# Altium PCB dvrk-s-pwm.PcbDoc (part 1 of 5) (continued)
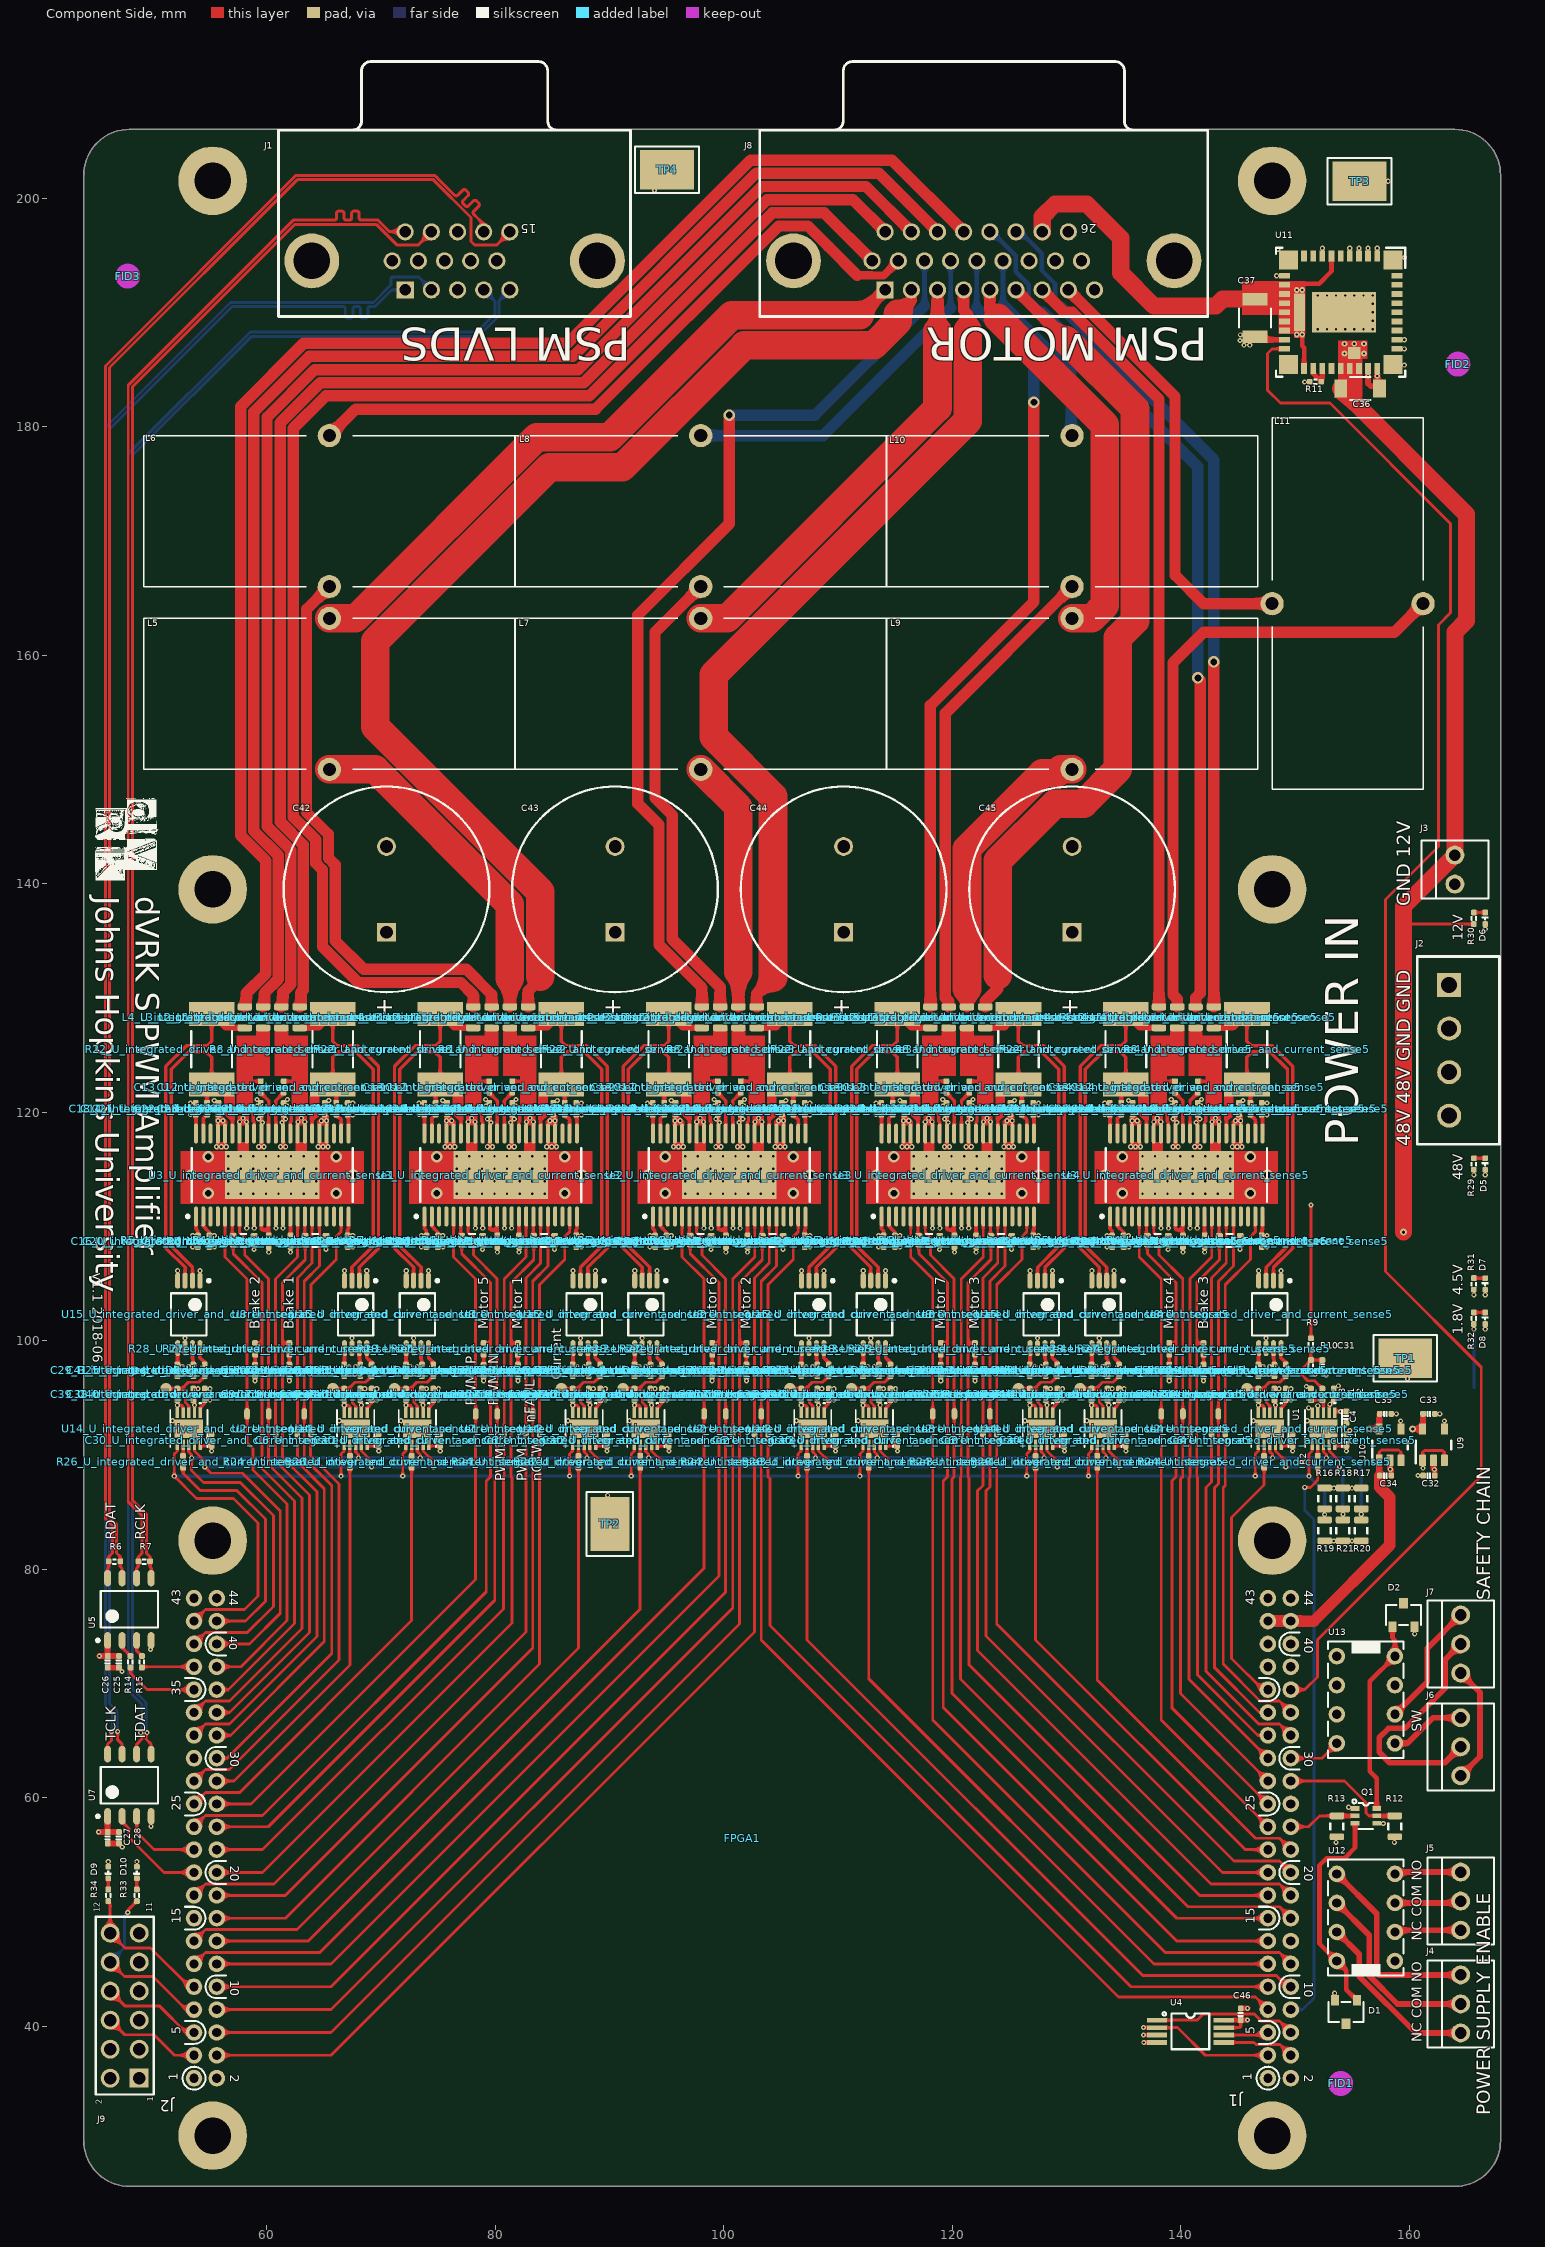
[diagram p0: Component Side view]
## Classes and differential pairs
polygon class nothermalrelief: GND_BOTTOM_HEAT
channel class integrated_driver_and_current_sense: U_integrated_driver_and_current_sense1 U_integrated_driver_and_current_sense2 U_integrated_driver_and_current_sense3 U_integrated_driver_and_current_sense4 U_integrated_driver_and_current_sense5
net class 100ohm: RCLK_N RCLK_P RDAT_N RDAT_P TCLK_N TCLK_P TDAT_N TDAT_P
component class U_relay: D1 D2 J4 J5 J6 J7 Q1 R12 R13 U12 U13
component class U_power_supply: C31 C32 C33 C34 C35 C36 C37 C42 C43 C44 C45 D5 D6 D7 D8 J2 J3 R9 R10 R11 R29 R30 R31 R32 TP1 TP2 TP3 TP4 U9 U10 U11
component class U_mv_adc: C1 C1_U_mv_adc C2 C2_U_mv_adc C3 C3_U_mv_adc C4 C4_U_mv_adc R1 R1_U_mv_adc R2 U1
component class U_lvds_transceiver: C25 C26 C27 C28 J1 R6 R7 R14 R15 U5 U7
component class U_integrated_driver_and_current_sense5: C5_U_integrated_driver_and_current_sense5 C6_U_integrated_driver_and_current_sense5 C7_U_integrated_driver_and_current_sense5 C8_U_integrated_driver_and_current_sense5 C9_U_integrated_driver_and_current_sense5 C10_U_integrated_driver_and_current_sense5 C11_U_integrated_driver_and_current_sense5 C12_U_integrated_driver_and_current_sense5 C13_U_integrated_driver_and_current_sense5 C14_U_integrated_driver_and_current_sense5 C15_U_integrated_driver_and_current_sense5 C16_U_integrated_driver_and_current_sense5 C17_U_integrated_driver_and_current_sense5 C18_U_integrated_driver_and_current_sense5 C19_U_integrated_driver_and_current_sense5 C20_U_integrated_driver_and_current_sense5 C21_U_integrated_driver_and_current_sense5 C22_U_integrated_driver_and_current_sense5 C23_U_integrated_driver_and_current_sense5 C24_U_integrated_driver_and_current_sense5 C29_U_integrated_driver_and_current_sense5 C30_U_integrated_driver_and_current_sense5 C38_U_integrated_driver_and_current_sense5 C39_U_integrated_driver_and_current_sense5 C40_U_integrated_driver_and_current_sense5 C41_U_integrated_driver_and_current_sense5 D3_U_integrated_driver_and_current_sense5 D4_U_integrated_driver_and_current_sense5 L1_U_integrated_driver_and_current_sense5 L2_U_integrated_driver_and_current_sense5 L3_U_integrated_driver_and_current_sense5 L4_U_integrated_driver_and_current_sense5 R3_U_integrated_driver_and_current_sense5 R4_U_integrated_driver_and_current_sense5 R5_U_integrated_driver_and_current_sense5 R8_U_integrated_driver_and_current_sense5 R22_U_integrated_driver_and_current_sense5 R23_U_integrated_driver_and_current_sense5 R24_U_integrated_driver_and_current_sense5 R25_U_integrated_driver_and_current_sense5 R26_U_integrated_driver_and_current_sense5 R27_U_integrated_driver_and_current_sense5 R28_U_integrated_driver_and_current_sense5 U2_U_integrated_driver_and_current_sense5 U3_U_integrated_driver_and_current_sense5 U8_U_integrated_driver_and_current_sense5 U14_U_integrated_driver_and_current_sense5 U15_U_integrated_driver_and_current_sense5
component class U_integrated_driver_and_current_sense4: C5_U_integrated_driver_and_current_sense4 C6_U_integrated_driver_and_current_sense4 C7_U_integrated_driver_and_current_sense4 C8_U_integrated_driver_and_current_sense4 C9_U_integrated_driver_and_current_sense4 C10_U_integrated_driver_and_current_sense4 C11_U_integrated_driver_and_current_sense4 C12_U_integrated_driver_and_current_sense4 C13_U_integrated_driver_and_current_sense4 C14_U_integrated_driver_and_current_sense4 C15_U_integrated_driver_and_current_sense4 C16_U_integrated_driver_and_current_sense4 C17_U_integrated_driver_and_current_sense4 C18_U_integrated_driver_and_current_sense4 C19_U_integrated_driver_and_current_sense4 C20_U_integrated_driver_and_current_sense4 C21_U_integrated_driver_and_current_sense4 C22_U_integrated_driver_and_current_sense4 C23_U_integrated_driver_and_current_sense4 C24_U_integrated_driver_and_current_sense4 C29_U_integrated_driver_and_current_sense4 C30_U_integrated_driver_and_current_sense4 C38_U_integrated_driver_and_current_sense4 C39_U_integrated_driver_and_current_sense4 C40_U_integrated_driver_and_current_sense4 C41_U_integrated_driver_and_current_sense4 D3_U_integrated_driver_and_current_sense4 D4_U_integrated_driver_and_current_sense4 L1_U_integrated_driver_and_current_sense4 L2_U_integrated_driver_and_current_sense4 L3_U_integrated_driver_and_current_sense4 L4_U_integrated_driver_and_current_sense4 R3_U_integrated_driver_and_current_sense4 R4_U_integrated_driver_and_current_sense4 R5_U_integrated_driver_and_current_sense4 R8_U_integrated_driver_and_current_sense4 R22_U_integrated_driver_and_current_sense4 R23_U_integrated_driver_and_current_sense4 R24_U_integrated_driver_and_current_sense4 R25_U_integrated_driver_and_current_sense4 R26_U_integrated_driver_and_current_sense4 R27_U_integrated_driver_and_current_sense4 R28_U_integrated_driver_and_current_sense4 U2_U_integrated_driver_and_current_sense4 U3_U_integrated_driver_and_current_sense4 U8_U_integrated_driver_and_current_sense4 U14_U_integrated_driver_and_current_sense4 U15_U_integrated_driver_and_current_sense4
component class U_integrated_driver_and_current_sense3: C5_U_integrated_driver_and_current_sense3 C6_U_integrated_driver_and_current_sense3 C7_U_integrated_driver_and_current_sense3 C8_U_integrated_driver_and_current_sense3 C9_U_integrated_driver_and_current_sense3 C10_U_integrated_driver_and_current_sense3 C11_U_integrated_driver_and_current_sense3 C12_U_integrated_driver_and_current_sense3 C13_U_integrated_driver_and_current_sense3 C14_U_integrated_driver_and_current_sense3 C15_U_integrated_driver_and_current_sense3 C16_U_integrated_driver_and_current_sense3 C17_U_integrated_driver_and_current_sense3 C18_U_integrated_driver_and_current_sense3 C19_U_integrated_driver_and_current_sense3 C20_U_integrated_driver_and_current_sense3 C21_U_integrated_driver_and_current_sense3 C22_U_integrated_driver_and_current_sense3 C23_U_integrated_driver_and_current_sense3 C24_U_integrated_driver_and_current_sense3 C29_U_integrated_driver_and_current_sense3 C30_U_integrated_driver_and_current_sense3 C38_U_integrated_driver_and_current_sense3 C39_U_integrated_driver_and_current_sense3 C40_U_integrated_driver_and_current_sense3 C41_U_integrated_driver_and_current_sense3 D3_U_integrated_driver_and_current_sense3 D4_U_integrated_driver_and_current_sense3 L1_U_integrated_driver_and_current_sense3 L2_U_integrated_driver_and_current_sense3 L3_U_integrated_driver_and_current_sense3 L4_U_integrated_driver_and_current_sense3 R3_U_integrated_driver_and_current_sense3 R4_U_integrated_driver_and_current_sense3 R5_U_integrated_driver_and_current_sense3 R8_U_integrated_driver_and_current_sense3 R22_U_integrated_driver_and_current_sense3 R23_U_integrated_driver_and_current_sense3 R24_U_integrated_driver_and_current_sense3 R25_U_integrated_driver_and_current_sense3 R26_U_integrated_driver_and_current_sense3 R27_U_integrated_driver_and_current_sense3 R28_U_integrated_driver_and_current_sense3 U2_U_integrated_driver_and_current_sense3 U3_U_integrated_driver_and_current_sense3 U8_U_integrated_driver_and_current_sense3 U14_U_integrated_driver_and_current_sense3 U15_U_integrated_driver_and_current_sense3
component class U_integrated_driver_and_current_sense2: C5_U_integrated_driver_and_current_sense2 C6_U_integrated_driver_and_current_sense2 C7_U_integrated_driver_and_current_sense2 C8_U_integrated_driver_and_current_sense2 C9_U_integrated_driver_and_current_sense2 C10_U_integrated_driver_and_current_sense2 C11_U_integrated_driver_and_current_sense2 C12_U_integrated_driver_and_current_sense2 C13_U_integrated_driver_and_current_sense2 C14_U_integrated_driver_and_current_sense2 C15_U_integrated_driver_and_current_sense2 C16_U_integrated_driver_and_current_sense2 C17_U_integrated_driver_and_current_sense2 C18_U_integrated_driver_and_current_sense2 C19_U_integrated_driver_and_current_sense2 C20_U_integrated_driver_and_current_sense2 C21_U_integrated_driver_and_current_sense2 C22_U_integrated_driver_and_current_sense2 C23_U_integrated_driver_and_current_sense2 C24_U_integrated_driver_and_current_sense2 C29_U_integrated_driver_and_current_sense2 C30_U_integrated_driver_and_current_sense2 C38_U_integrated_driver_and_current_sense2 C39_U_integrated_driver_and_current_sense2 C40_U_integrated_driver_and_current_sense2 C41_U_integrated_driver_and_current_sense2 D3_U_integrated_driver_and_current_sense2 D4_U_integrated_driver_and_current_sense2 L1_U_integrated_driver_and_current_sense2 L2_U_integrated_driver_and_current_sense2 L3_U_integrated_driver_and_current_sense2 L4_U_integrated_driver_and_current_sense2 R3_U_integrated_driver_and_current_sense2 R4_U_integrated_driver_and_current_sense2 R5_U_integrated_driver_and_current_sense2 R8_U_integrated_driver_and_current_sense2 R22_U_integrated_driver_and_current_sense2 R23_U_integrated_driver_and_current_sense2 R24_U_integrated_driver_and_current_sense2 R25_U_integrated_driver_and_current_sense2 R26_U_integrated_driver_and_current_sense2 R27_U_integrated_driver_and_current_sense2 R28_U_integrated_driver_and_current_sense2 U2_U_integrated_driver_and_current_sense2 U3_U_integrated_driver_and_current_sense2 U8_U_integrated_driver_and_current_sense2 U14_U_integrated_driver_and_current_sense2 U15_U_integrated_driver_and_current_sense2
component class U_integrated_driver_and_current_sense1: C5_U_integrated_driver_and_current_sense1 C6_U_integrated_driver_and_current_sense1 C7_U_integrated_driver_and_current_sense1 C8_U_integrated_driver_and_current_sense1 C9_U_integrated_driver_and_current_sense1 C10_U_integrated_driver_and_current_sense1 C11_U_integrated_driver_and_current_sense1 C12_U_integrated_driver_and_current_sense1 C13_U_integrated_driver_and_current_sense1 C14_U_integrated_driver_and_current_sense1 C15_U_integrated_driver_and_current_sense1 C16_U_integrated_driver_and_current_sense1 C17_U_integrated_driver_and_current_sense1 C18_U_integrated_driver_and_current_sense1 C19_U_integrated_driver_and_current_sense1 C20_U_integrated_driver_and_current_sense1 C21_U_integrated_driver_and_current_sense1 C22_U_integrated_driver_and_current_sense1 C23_U_integrated_driver_and_current_sense1 C24_U_integrated_driver_and_current_sense1 C29_U_integrated_driver_and_current_sense1 C30_U_integrated_driver_and_current_sense1 C38_U_integrated_driver_and_current_sense1 C39_U_integrated_driver_and_current_sense1 C40_U_integrated_driver_and_current_sense1 C41_U_integrated_driver_and_current_sense1 D3_U_integrated_driver_and_current_sense1 D4_U_integrated_driver_and_current_sense1 L1_U_integrated_driver_and_current_sense1 L2_U_integrated_driver_and_current_sense1 L3_U_integrated_driver_and_current_sense1 L4_U_integrated_driver_and_current_sense1 R3_U_integrated_driver_and_current_sense1 R4_U_integrated_driver_and_current_sense1 R5_U_integrated_driver_and_current_sense1 R8_U_integrated_driver_and_current_sense1 R22_U_integrated_driver_and_current_sense1 R23_U_integrated_driver_and_current_sense1 R24_U_integrated_driver_and_current_sense1 R25_U_integrated_driver_and_current_sense1 R26_U_integrated_driver_and_current_sense1 R27_U_integrated_driver_and_current_sense1 R28_U_integrated_driver_and_current_sense1 U2_U_integrated_driver_and_current_sense1 U3_U_integrated_driver_and_current_sense1 U8_U_integrated_driver_and_current_sense1 U14_U_integrated_driver_and_current_sense1 U15_U_integrated_driver_and_current_sense1
component class top: C46 D9 D10 FID1 FID2 FID3 FPGA1 J8 J9 L5 L6 L7 L8 L9 L10 L11 R16 R17 R18 R19 R20 R21 R33 R34 U4
differential pair TDAT: +TDAT_P -TDAT_N
differential pair TCLK: +TCLK_P -TCLK_N
differential pair RDAT: +RDAT_P -RDAT_N
differential pair RCLK: +RCLK_P -RCLK_N

## Components (designator, comment, footprint, x,y, rotation, side; value= is the part's Value field where it differs from the comment)
C1 "GCM155R71C104KA55D" CAP_0402 154.5,91.3 r270 top value=0.1uF
C2 "GCM155R71C104KA55D" CAP_0402 153.4,95.3 r270 top value=0.1uF
C3 "GCM155R71C104KA55D" CAP_0402 151.4,95.3 r270 top value=0.1uF
C4 "GCM155R71C104KA55D" CAP_0402 154.5,93.3 r90 top value=0.1uF
C5_U_integrated_driver_and_current_sense1 "GCM155R71C104KA55D" CAP_0402 66.8,97.4 r90 top value=0.1uF (schematic designator C5)
C5_U_integrated_driver_and_current_sense2 "GCM155R71C104KA55D" CAP_0402 86.8,97.4 r90 top value=0.1uF (schematic designator C5)
C5_U_integrated_driver_and_current_sense3 "GCM155R71C104KA55D" CAP_0402 106.8,97.4 r90 top value=0.1uF (schematic designator C5)
C5_U_integrated_driver_and_current_sense4 "GCM155R71C104KA55D" CAP_0402 126.8,97.4 r90 top value=0.1uF (schematic designator C5)
C5_U_integrated_driver_and_current_sense5 "GCM155R71C104KA55D" CAP_0402 146.8,97.4 r90 top value=0.1uF (schematic designator C5)
C6_U_integrated_driver_and_current_sense1 "GCM155R71C104KA55D" CAP_0402 69.8,91.3 r270 top value=0.1uF (schematic designator C6)
C6_U_integrated_driver_and_current_sense2 "GCM155R71C104KA55D" CAP_0402 89.8,91.3 r270 top value=0.1uF (schematic designator C6)
C6_U_integrated_driver_and_current_sense3 "GCM155R71C104KA55D" CAP_0402 109.8,91.3 r270 top value=0.1uF (schematic designator C6)
C6_U_integrated_driver_and_current_sense4 "GCM155R71C104KA55D" CAP_0402 129.8,91.3 r270 top value=0.1uF (schematic designator C6)
C6_U_integrated_driver_and_current_sense5 "GCM155R71C104KA55D" CAP_0402 149.8,91.3 r270 top value=0.1uF (schematic designator C6)
C7_U_integrated_driver_and_current_sense1 "GCM155R71C104KA55D" CAP_0402 68.2,95.3 r270 top value=0.1uF (schematic designator C7)
C7_U_integrated_driver_and_current_sense2 "GCM155R71C104KA55D" CAP_0402 88.2,95.3 r270 top value=0.1uF (schematic designator C7)
C7_U_integrated_driver_and_current_sense3 "GCM155R71C104KA55D" CAP_0402 108.2,95.3 r270 top value=0.1uF (schematic designator C7)
C7_U_integrated_driver_and_current_sense4 "GCM155R71C104KA55D" CAP_0402 128.2,95.3 r270 top value=0.1uF (schematic designator C7)
C7_U_integrated_driver_and_current_sense5 "GCM155R71C104KA55D" CAP_0402 148.2,95.3 r270 top value=0.1uF (schematic designator C7)
C8_U_integrated_driver_and_current_sense1 "GCM155R71C104KA55D" CAP_0402 66.8,95.3 r90 top value=0.1uF (schematic designator C8)
C8_U_integrated_driver_and_current_sense2 "GCM155R71C104KA55D" CAP_0402 86.8,95.3 r90 top value=0.1uF (schematic designator C8)
C8_U_integrated_driver_and_current_sense3 "GCM155R71C104KA55D" CAP_0402 106.8,95.3 r90 top value=0.1uF (schematic designator C8)
C8_U_integrated_driver_and_current_sense4 "GCM155R71C104KA55D" CAP_0402 126.8,95.3 r90 top value=0.1uF (schematic designator C8)
C8_U_integrated_driver_and_current_sense5 "GCM155R71C104KA55D" CAP_0402 146.8,95.3 r90 top value=0.1uF (schematic designator C8)
C9_U_integrated_driver_and_current_sense1 "GCM155R71C104KA55D" CAP_0402 69.2,95.3 r270 top value=0.1uF (schematic designator C9)
C9_U_integrated_driver_and_current_sense2 "GCM155R71C104KA55D" CAP_0402 89.2,95.3 r270 top value=0.1uF (schematic designator C9)
C9_U_integrated_driver_and_current_sense3 "GCM155R71C104KA55D" CAP_0402 109.2,95.3 r270 top value=0.1uF (schematic designator C9)
C9_U_integrated_driver_and_current_sense4 "GCM155R71C104KA55D" CAP_0402 129.2,95.3 r270 top value=0.1uF (schematic designator C9)
C9_U_integrated_driver_and_current_sense5 "GCM155R71C104KA55D" CAP_0402 149.2,95.3 r270 top value=0.1uF (schematic designator C9)
C10_U_integrated_driver_and_current_sense1 "GCM155R71C104KA55D" CAP_0402 68.2,97.4 r90 top value=0.1uF (schematic designator C10)
C10_U_integrated_driver_and_current_sense2 "GCM155R71C104KA55D" CAP_0402 88.2,97.4 r90 top value=0.1uF (schematic designator C10)
C10_U_integrated_driver_and_current_sense3 "GCM155R71C104KA55D" CAP_0402 108.2,97.4 r90 top value=0.1uF (schematic designator C10)
C10_U_integrated_driver_and_current_sense4 "GCM155R71C104KA55D" CAP_0402 128.2,97.4 r90 top value=0.1uF (schematic designator C10)
C10_U_integrated_driver_and_current_sense5 "GCM155R71C104KA55D" CAP_0402 148.2,97.4 r90 top value=0.1uF (schematic designator C10)
C11_U_integrated_driver_and_current_sense1 "Cap_0402" CAP_0402 66.1,120.3 r270 top value=0.1uF/100V (schematic designator C11)
C11_U_integrated_driver_and_current_sense2 "Cap_0402" CAP_0402 86.1,120.3 r270 top value=0.1uF/100V (schematic designator C11)
C11_U_integrated_driver_and_current_sense3 "Cap_0402" CAP_0402 106.1,120.3 r270 top value=0.1uF/100V (schematic designator C11)
C11_U_integrated_driver_and_current_sense4 "Cap_0402" CAP_0402 126.1,120.3 r270 top value=0.1uF/100V (schematic designator C11)
C11_U_integrated_driver_and_current_sense5 "Cap_0402" CAP_0402 146.1,120.3 r270 top value=0.1uF/100V (schematic designator C11)
C12_U_integrated_driver_and_current_sense1 "Cap_0402" CAP_0402 61.5,122.2 r270 top value=0.1uF/100V (schematic designator C12)
C12_U_integrated_driver_and_current_sense2 "Cap_0402" CAP_0402 81.5,122.2 r270 top value=0.1uF/100V (schematic designator C12)
C12_U_integrated_driver_and_current_sense3 "Cap_0402" CAP_0402 101.5,122.2 r270 top value=0.1uF/100V (schematic designator C12)
C12_U_integrated_driver_and_current_sense4 "Cap_0402" CAP_0402 121.5,122.2 r270 top value=0.1uF/100V (schematic designator C12)
C12_U_integrated_driver_and_current_sense5 "Cap_0402" CAP_0402 141.5,122.2 r270 top value=0.1uF/100V (schematic designator C12)
C13_U_integrated_driver_and_current_sense1 "Cap_0402" CAP_0402 59.5,122.2 r270 top value=0.1uF/100V (schematic designator C13)
C13_U_integrated_driver_and_current_sense2 "Cap_0402" CAP_0402 79.5,122.2 r270 top value=0.1uF/100V (schematic designator C13)
C13_U_integrated_driver_and_current_sense3 "Cap_0402" CAP_0402 99.5,122.2 r270 top value=0.1uF/100V (schematic designator C13)
C13_U_integrated_driver_and_current_sense4 "Cap_0402" CAP_0402 119.5,122.2 r270 top value=0.1uF/100V (schematic designator C13)
C13_U_integrated_driver_and_current_sense5 "Cap_0402" CAP_0402 139.5,122.2 r270 top value=0.1uF/100V (schematic designator C13)
C14_U_integrated_driver_and_current_sense1 "Cap_0402" CAP_0402 54.8,120.3 r270 top value=0.1uF/100V (schematic designator C14)
C14_U_integrated_driver_and_current_sense2 "Cap_0402" CAP_0402 74.8,120.3 r270 top value=0.1uF/100V (schematic designator C14)
C14_U_integrated_driver_and_current_sense3 "Cap_0402" CAP_0402 94.8,120.3 r270 top value=0.1uF/100V (schematic designator C14)
C14_U_integrated_driver_and_current_sense4 "Cap_0402" CAP_0402 114.8,120.3 r270 top value=0.1uF/100V (schematic designator C14)
C14_U_integrated_driver_and_current_sense5 "Cap_0402" CAP_0402 134.8,120.3 r270 top value=0.1uF/100V (schematic designator C14)
C15_U_integrated_driver_and_current_sense1 "Cap_0402" CAP_0402 60.2,108.7 r270 top value=0.1uF (schematic designator C15)
C15_U_integrated_driver_and_current_sense2 "Cap_0402" CAP_0402 80.2,108.7 r270 top value=0.1uF (schematic designator C15)
C15_U_integrated_driver_and_current_sense3 "Cap_0402" CAP_0402 100.2,108.7 r270 top value=0.1uF (schematic designator C15)
C15_U_integrated_driver_and_current_sense4 "Cap_0402" CAP_0402 120.2,108.7 r270 top value=0.1uF (schematic designator C15)
C15_U_integrated_driver_and_current_sense5 "Cap_0402" CAP_0402 140.2,108.7 r270 top value=0.1uF (schematic designator C15)
C16_U_integrated_driver_and_current_sense1 "Cap_0402" CAP_0402 54,108.7 r270 top value=1uF/25V (schematic designator C16)
C16_U_integrated_driver_and_current_sense2 "Cap_0402" CAP_0402 74,108.7 r270 top value=1uF/25V (schematic designator C16)
C16_U_integrated_driver_and_current_sense3 "Cap_0402" CAP_0402 94,108.7 r270 top value=1uF/25V (schematic designator C16)
C16_U_integrated_driver_and_current_sense4 "Cap_0402" CAP_0402 114,108.7 r270 top value=1uF/25V (schematic designator C16)
C16_U_integrated_driver_and_current_sense5 "Cap_0402" CAP_0402 134,108.7 r270 top value=1uF/25V (schematic designator C16)
C17_U_integrated_driver_and_current_sense1 "Cap_0402" CAP_0402 67.1,108.7 r270 top value=1uF/25V (schematic designator C17)
C17_U_integrated_driver_and_current_sense2 "Cap_0402" CAP_0402 87.1,108.7 r270 top value=1uF/25V (schematic designator C17)
C17_U_integrated_driver_and_current_sense3 "Cap_0402" CAP_0402 107.1,108.7 r270 top value=1uF/25V (schematic designator C17)
C17_U_integrated_driver_and_current_sense4 "Cap_0402" CAP_0402 127.1,108.7 r270 top value=1uF/25V (schematic designator C17)
C17_U_integrated_driver_and_current_sense5 "Cap_0402" CAP_0402 147.1,108.7 r270 top value=1uF/25V (schematic designator C17)
C18_U_integrated_driver_and_current_sense1 "Cap_0402" CAP_0402 53.8,120.3 r90 top value=1uF/25V (schematic designator C18)
C18_U_integrated_driver_and_current_sense2 "Cap_0402" CAP_0402 73.8,120.3 r90 top value=1uF/25V (schematic designator C18)
C18_U_integrated_driver_and_current_sense3 "Cap_0402" CAP_0402 93.8,120.3 r90 top value=1uF/25V (schematic designator C18)
C18_U_integrated_driver_and_current_sense4 "Cap_0402" CAP_0402 113.8,120.3 r90 top value=1uF/25V (schematic designator C18)
C18_U_integrated_driver_and_current_sense5 "Cap_0402" CAP_0402 133.8,120.3 r90 top value=1uF/25V (schematic designator C18)
C19_U_integrated_driver_and_current_sense1 "Cap_0402" CAP_0402 67.1,120.3 r90 top value=1uF/25V (schematic designator C19)
C19_U_integrated_driver_and_current_sense2 "Cap_0402" CAP_0402 87.1,120.3 r90 top value=1uF/25V (schematic designator C19)
C19_U_integrated_driver_and_current_sense3 "Cap_0402" CAP_0402 107.1,120.3 r90 top value=1uF/25V (schematic designator C19)
C19_U_integrated_driver_and_current_sense4 "Cap_0402" CAP_0402 127.1,120.3 r90 top value=1uF/25V (schematic designator C19)
C19_U_integrated_driver_and_current_sense5 "Cap_0402" CAP_0402 147.1,120.3 r90 top value=1uF/25V (schematic designator C19)
C20_U_integrated_driver_and_current_sense1 "Cap_0402" CAP_0402 55,108.7 r270 top value=1uF/25V (schematic designator C20)
C20_U_integrated_driver_and_current_sense2 "Cap_0402" CAP_0402 75,108.7 r270 top value=1uF/25V (schematic designator C20)
C20_U_integrated_driver_and_current_sense3 "Cap_0402" CAP_0402 95,108.7 r270 top value=1uF/25V (schematic designator C20)
C20_U_integrated_driver_and_current_sense4 "Cap_0402" CAP_0402 115,108.7 r270 top value=1uF/25V (schematic designator C20)
C20_U_integrated_driver_and_current_sense5 "Cap_0402" CAP_0402 135,108.7 r270 top value=1uF/25V (schematic designator C20)
C21_U_integrated_driver_and_current_sense1 "Cap_0402" CAP_0402 55.8,120.3 r90 top value=0.1uF/100V (schematic designator C21)
C21_U_integrated_driver_and_current_sense2 "Cap_0402" CAP_0402 75.8,120.3 r90 top value=0.1uF/100V (schematic designator C21)
C21_U_integrated_driver_and_current_sense3 "Cap_0402" CAP_0402 95.8,120.3 r90 top value=0.1uF/100V (schematic designator C21)
C21_U_integrated_driver_and_current_sense4 "Cap_0402" CAP_0402 115.8,120.3 r90 top value=0.1uF/100V (schematic designator C21)
C21_U_integrated_driver_and_current_sense5 "Cap_0402" CAP_0402 135.8,120.3 r90 top value=0.1uF/100V (schematic designator C21)
C22_U_integrated_driver_and_current_sense1 "Cap_0402" CAP_0402 59.5,120.3 r90 top value=0.1uF/100V (schematic designator C22)
C22_U_integrated_driver_and_current_sense2 "Cap_0402" CAP_0402 79.5,120.3 r90 top value=0.1uF/100V (schematic designator C22)
C22_U_integrated_driver_and_current_sense3 "Cap_0402" CAP_0402 99.5,120.3 r90 top value=0.1uF/100V (schematic designator C22)
C22_U_integrated_driver_and_current_sense4 "Cap_0402" CAP_0402 119.5,120.3 r90 top value=0.1uF/100V (schematic designator C22)
C22_U_integrated_driver_and_current_sense5 "Cap_0402" CAP_0402 139.5,120.3 r90 top value=0.1uF/100V (schematic designator C22)
C23_U_integrated_driver_and_current_sense1 "Cap_0402" CAP_0402 61.5,120.3 r90 top value=0.1uF/100V (schematic designator C23)
C23_U_integrated_driver_and_current_sense2 "Cap_0402" CAP_0402 81.5,120.3 r90 top value=0.1uF/100V (schematic designator C23)
C23_U_integrated_driver_and_current_sense3 "Cap_0402" CAP_0402 101.5,120.3 r90 top value=0.1uF/100V (schematic designator C23)
C23_U_integrated_driver_and_current_sense4 "Cap_0402" CAP_0402 121.5,120.3 r90 top value=0.1uF/100V (schematic designator C23)
C23_U_integrated_driver_and_current_sense5 "Cap_0402" CAP_0402 141.5,120.3 r90 top value=0.1uF/100V (schematic designator C23)
C24_U_integrated_driver_and_current_sense1 "Cap_0402" CAP_0402 65.1,120.3 r90 top value=0.1uF/100V (schematic designator C24)
C24_U_integrated_driver_and_current_sense2 "Cap_0402" CAP_0402 85.1,120.3 r90 top value=0.1uF/100V (schematic designator C24)
C24_U_integrated_driver_and_current_sense3 "Cap_0402" CAP_0402 105.1,120.3 r90 top value=0.1uF/100V (schematic designator C24)
C24_U_integrated_driver_and_current_sense4 "Cap_0402" CAP_0402 125.1,120.3 r90 top value=0.1uF/100V (schematic designator C24)
C24_U_integrated_driver_and_current_sense5 "Cap_0402" CAP_0402 145.1,120.3 r90 top value=0.1uF/100V (schematic designator C24)
C25 "Cap_0402" CAP_0402 47.1,71.9 r90 top value=0.1uf
C26 "Cap_0402" CAP_0402 46.1,71.9 r90 top value=0.001uf
C27 "Cap_0402" CAP_0402 46.1,56.5 r90 top value=0.1uf
C28 "Cap_0402" CAP_0402 47.1,56.5 r90 top value=0.001uf
C29_U_integrated_driver_and_current_sense1 "GCM155R71C104KA55D" CAP_0402 52.2,97.4 r90 top value=0.1uF (schematic designator C29)
C29_U_integrated_driver_and_current_sense2 "GCM155R71C104KA55D" CAP_0402 72.2,97.4 r90 top value=0.1uF (schematic designator C29)
C29_U_integrated_driver_and_current_sense3 "GCM155R71C104KA55D" CAP_0402 92.2,97.4 r90 top value=0.1uF (schematic designator C29)
C29_U_integrated_driver_and_current_sense4 "GCM155R71C104KA55D" CAP_0402 112.2,97.4 r90 top value=0.1uF (schematic designator C29)
C29_U_integrated_driver_and_current_sense5 "GCM155R71C104KA55D" CAP_0402 132.2,97.4 r90 top value=0.1uF (schematic designator C29)
C30_U_integrated_driver_and_current_sense1 "GCM155R71C104KA55D" CAP_0402 55.2,91.3 r270 top value=0.1uF (schematic designator C30)
C30_U_integrated_driver_and_current_sense2 "GCM155R71C104KA55D" CAP_0402 75.2,91.3 r270 top value=0.1uF (schematic designator C30)
C30_U_integrated_driver_and_current_sense3 "GCM155R71C104KA55D" CAP_0402 95.2,91.3 r270 top value=0.1uF (schematic designator C30)
C30_U_integrated_driver_and_current_sense4 "GCM155R71C104KA55D" CAP_0402 115.2,91.3 r270 top value=0.1uF (schematic designator C30)
C30_U_integrated_driver_and_current_sense5 "GCM155R71C104KA55D" CAP_0402 135.2,91.3 r270 top value=0.1uF (schematic designator C30)
C31 "Cap_0402" CAP_0402 152.4,97.8 r90 top value=0.1uf
C32 "Cap_0402" CAP_0402 161.725,88.2 r180 top value=1uF
C33 "Cap_0402" CAP_0402 161.725,93.6 r180 top value=1uF
C34 "Cap_0402" CAP_0402 157.925,88.2 r180 top value=1uF
C35 "Cap_0402" CAP_0402 157.925,93.6 r180 top value=1uF
C36 "C3216X5R1H106K160AB" 1206_180 155.7,183.325 r0 top value=10uF
C37 "GRM32ER61A107ME20K" 1210_280 146.5,189.5 r270 top value=22uF
C38_U_integrated_driver_and_current_sense1 "GCM155R71C104KA55D" CAP_0402 53.6,95.3 r270 top value=0.1uF (schematic designator C38)
C38_U_integrated_driver_and_current_sense2 "GCM155R71C104KA55D" CAP_0402 73.6,95.3 r270 top value=0.1uF (schematic designator C38)
C38_U_integrated_driver_and_current_sense3 "GCM155R71C104KA55D" CAP_0402 93.6,95.3 r270 top value=0.1uF (schematic designator C38)
C38_U_integrated_driver_and_current_sense4 "GCM155R71C104KA55D" CAP_0402 113.6,95.3 r270 top value=0.1uF (schematic designator C38)
C38_U_integrated_driver_and_current_sense5 "GCM155R71C104KA55D" CAP_0402 133.6,95.3 r270 top value=0.1uF (schematic designator C38)
C39_U_integrated_driver_and_current_sense1 "GCM155R71C104KA55D" CAP_0402 52.2,95.3 r90 top value=0.1uF (schematic designator C39)
C39_U_integrated_driver_and_current_sense2 "GCM155R71C104KA55D" CAP_0402 72.2,95.3 r90 top value=0.1uF (schematic designator C39)
C39_U_integrated_driver_and_current_sense3 "GCM155R71C104KA55D" CAP_0402 92.2,95.3 r90 top value=0.1uF (schematic designator C39)
C39_U_integrated_driver_and_current_sense4 "GCM155R71C104KA55D" CAP_0402 112.2,95.3 r90 top value=0.1uF (schematic designator C39)
C39_U_integrated_driver_and_current_sense5 "GCM155R71C104KA55D" CAP_0402 132.2,95.3 r90 top value=0.1uF (schematic designator C39)
C40_U_integrated_driver_and_current_sense1 "GCM155R71C104KA55D" CAP_0402 54.6,95.3 r270 top value=0.1uF (schematic designator C40)
C40_U_integrated_driver_and_current_sense2 "GCM155R71C104KA55D" CAP_0402 74.6,95.3 r270 top value=0.1uF (schematic designator C40)
C40_U_integrated_driver_and_current_sense3 "GCM155R71C104KA55D" CAP_0402 94.6,95.3 r270 top value=0.1uF (schematic designator C40)
C40_U_integrated_driver_and_current_sense4 "GCM155R71C104KA55D" CAP_0402 114.6,95.3 r270 top value=0.1uF (schematic designator C40)
C40_U_integrated_driver_and_current_sense5 "GCM155R71C104KA55D" CAP_0402 134.6,95.3 r270 top value=0.1uF (schematic designator C40)
C41_U_integrated_driver_and_current_sense1 "GCM155R71C104KA55D" CAP_0402 53.6,97.4 r90 top value=0.1uF (schematic designator C41)
C41_U_integrated_driver_and_current_sense2 "GCM155R71C104KA55D" CAP_0402 73.6,97.4 r90 top value=0.1uF (schematic designator C41)
C41_U_integrated_driver_and_current_sense3 "GCM155R71C104KA55D" CAP_0402 93.6,97.4 r90 top value=0.1uF (schematic designator C41)
C41_U_integrated_driver_and_current_sense4 "GCM155R71C104KA55D" CAP_0402 113.6,97.4 r90 top value=0.1uF (schematic designator C41)
C41_U_integrated_driver_and_current_sense5 "GCM155R71C104KA55D" CAP_0402 133.6,97.4 r90 top value=0.1uF (schematic designator C41)
C42 "100 Vdc, 470 uF" WCAP-ATG8_18x35.5x7.5 70.5,139.5 r270 top value="470 uF"
C43 "100 Vdc, 470 uF" WCAP-ATG8_18x35.5x7.5 90.5,139.5 r270 top value="470 uF"
C44 "100 Vdc, 470 uF" WCAP-ATG8_18x35.5x7.5 110.5,139.5 r270 top value="470 uF"
C45 "100 Vdc, 470 uF" WCAP-ATG8_18x35.5x7.5 130.5,139.5 r270 top value="470 uF"
C46 "Cap_0402" CAP_0402 145.255,41.065 r270 top value=0.1uf
D1 "DZ23C15" SOT-23 154.475,41.25 r180 top
D2 "DZ23C15" SOT-23 159.5,76 r0 top
D3_U_integrated_driver_and_current_sense1 "LED_0402" LED_0402_RED 62,97.4 r270 top (schematic designator D3)
D3_U_integrated_driver_and_current_sense2 "LED_0402" LED_0402_RED 82,97.4 r270 top (schematic designator D3)
D3_U_integrated_driver_and_current_sense3 "LED_0402" LED_0402_RED 102,97.4 r270 top (schematic designator D3)
D3_U_integrated_driver_and_current_sense4 "LED_0402" LED_0402_RED 122,97.4 r270 top (schematic designator D3)
D3_U_integrated_driver_and_current_sense5 "LED_0402" LED_0402_RED 142,97.4 r270 top (schematic designator D3)
D4_U_integrated_driver_and_current_sense1 "LED_0402" LED_0402_RED 59,97.392 r270 top (schematic designator D4)
D4_U_integrated_driver_and_current_sense2 "LED_0402" LED_0402_RED 79,97.392 r270 top (schematic designator D4)
D4_U_integrated_driver_and_current_sense3 "LED_0402" LED_0402_RED 99,97.392 r270 top (schematic designator D4)
D4_U_integrated_driver_and_current_sense4 "LED_0402" LED_0402_RED 119,97.392 r270 top (schematic designator D4)
D4_U_integrated_driver_and_current_sense5 "LED_0402" LED_0402_RED 139,97.392 r270 top (schematic designator D4)
D5 "LED_0402" LED_0402_RED 166.655,115.465 r270 top
D6 "LED_0402" LED_0402_RED 166.655,136.965 r270 top
D7 "LED_0402" LED_0402_RED 166.655,104.965 r270 top
D8 "LED_0402" LED_0402_RED 166.655,101.965 r270 top
D9 "LED_0402" LED_0402_RED 46.155,53.465 r90 top
D10 "LED_0402" LED_0402_RED 48.655,53.465 r90 top
FID1 "Fiducial" Fiducial10-20 154,35 r90 top
FID2 "Fiducial" Fiducial10-20 164.255,185.465 r90 top
FID3 "Fiducial" Fiducial10-20 47.855,193.165 r90 top
FPGA1 "Connect to FireWire FPGA" FPGA-dummy 148,82.5 r180 top locked
J1 "15p, Female" 618015325223 76.46,194.5 r180 top locked
J2 "691321300004" 691321300004 164.3,125.405 r270 top
J3 "Substitute with tyco 640457-2" HDR-2x1-100 164,141.23 r270 top
J4 "HEADER 3" HDR-3x1-100 164.5,41.96 r90 top
J5 "HEADER 3" HDR-3x1-100 164.5,50.96 r90 top
J6 "HEADER 3" HDR-3x1-100 164.5,64.46 r90 top
J7 "HEADER 3" HDR-3x1-100 164.5,73.46 r90 top
J8 "26p, Female" 618026325223 122.77,194.5 r180 top locked
J9 "2.54 mm_THT_Vertical_12 pin" 61301221121 47.585,41.815 r90 top
L1_U_integrated_driver_and_current_sense1 "Ind_0805" IND_0805 62.9,128.3 r90 top value=?H (schematic designator L1)
L1_U_integrated_driver_and_current_sense2 "Ind_0805" IND_0805 82.9,128.3 r90 top value=?H (schematic designator L1)
L1_U_integrated_driver_and_current_sense3 "Ind_0805" IND_0805 102.9,128.3 r90 top value=?H (schematic designator L1)
L1_U_integrated_driver_and_current_sense4 "Ind_0805" IND_0805 122.9,128.3 r90 top value=?H (schematic designator L1)
L1_U_integrated_driver_and_current_sense5 "Ind_0805" IND_0805 142.9,128.3 r90 top value=?H (schematic designator L1)
L2_U_integrated_driver_and_current_sense1 "Ind_0805" IND_0805 61.3,128.3 r90 top value=?H (schematic designator L2)
L2_U_integrated_driver_and_current_sense2 "Ind_0805" IND_0805 81.3,128.3 r90 top value=?H (schematic designator L2)
L2_U_integrated_driver_and_current_sense3 "Ind_0805" IND_0805 101.3,128.3 r90 top value=?H (schematic designator L2)
L2_U_integrated_driver_and_current_sense4 "Ind_0805" IND_0805 121.3,128.3 r90 top value=?H (schematic designator L2)
L2_U_integrated_driver_and_current_sense5 "Ind_0805" IND_0805 141.3,128.3 r90 top value=?H (schematic designator L2)
L3_U_integrated_driver_and_current_sense1 "Ind_0805" IND_0805 59.7,128.3 r90 top value=?H (schematic designator L3)
L3_U_integrated_driver_and_current_sense2 "Ind_0805" IND_0805 79.7,128.3 r90 top value=?H (schematic designator L3)
L3_U_integrated_driver_and_current_sense3 "Ind_0805" IND_0805 99.7,128.3 r90 top value=?H (schematic designator L3)
L3_U_integrated_driver_and_current_sense4 "Ind_0805" IND_0805 119.7,128.3 r90 top value=?H (schematic designator L3)
L3_U_integrated_driver_and_current_sense5 "Ind_0805" IND_0805 139.7,128.3 r90 top value=?H (schematic designator L3)
L4_U_integrated_driver_and_current_sense1 "Ind_0805" IND_0805 58.1,128.3 r90 top value=?H (schematic designator L4)
L4_U_integrated_driver_and_current_sense2 "Ind_0805" IND_0805 78.1,128.3 r90 top value=?H (schematic designator L4)
L4_U_integrated_driver_and_current_sense3 "Ind_0805" IND_0805 98.1,128.3 r90 top value=?H (schematic designator L4)
L4_U_integrated_driver_and_current_sense4 "Ind_0805" IND_0805 118.1,128.3 r90 top value=?H (schematic designator L4)
L4_U_integrated_driver_and_current_sense5 "Ind_0805" IND_0805 138.1,128.3 r90 top value=?H (schematic designator L4)
L5 "" 2300LL 65.5,150 r90 top value=1mH
L6 "" 2300LL 65.5,166 r90 top value=1mH
L7 "" 2300LL 98,150 r90 top value=1mH
L8 "" 2300LL 98,166 r90 top value=1mH
L9 "" 2300LL 130.5,150 r90 top value=1mH
L10 "" 2300LL 130.5,166 r90 top value=1mH
L11 "" 2300LL 161.208,164.5 r180 top value=1mH
Q1 "PMG30XN" SC70-6 156.21,58.42 r270 top
R1 "CRCW04020000Z0ED" RES_0402 152.4,95.3 r90 top value=0
R2 "Res_0402" RES_0402 152,89.4 r90 top value=30
R3_U_integrated_driver_and_current_sense1 "Res_0402" RES_0402 62.1,108.7 r270 top value=?K (schematic designator R3)
R3_U_integrated_driver_and_current_sense2 "Res_0402" RES_0402 82.1,108.7 r270 top value=?K (schematic designator R3)
R3_U_integrated_driver_and_current_sense3 "Res_0402" RES_0402 102.1,108.7 r270 top value=?K (schematic designator R3)
R3_U_integrated_driver_and_current_sense4 "Res_0402" RES_0402 122.1,108.7 r270 top value=?K (schematic designator R3)
R3_U_integrated_driver_and_current_sense5 "Res_0402" RES_0402 142.1,108.7 r270 top value=?K (schematic designator R3)
R4_U_integrated_driver_and_current_sense1 "Res_0805" RES_0805 64.3,108.8 r180 top value=1k (schematic designator R4)
R4_U_integrated_driver_and_current_sense2 "Res_0805" RES_0805 84.3,108.8 r180 top value=1k (schematic designator R4)
R4_U_integrated_driver_and_current_sense3 "Res_0805" RES_0805 104.3,108.8 r180 top value=1k (schematic designator R4)
R4_U_integrated_driver_and_current_sense4 "Res_0805" RES_0805 124.3,108.8 r180 top value=1k (schematic designator R4)
R4_U_integrated_driver_and_current_sense5 "Res_0805" RES_0805 144.3,108.8 r180 top value=1k (schematic designator R4)
R5_U_integrated_driver_and_current_sense1 "Res_0805" RES_0805 58,108.8 r180 top value=1k (schematic designator R5)
R5_U_integrated_driver_and_current_sense2 "Res_0805" RES_0805 78,108.8 r180 top value=1k (schematic designator R5)
R5_U_integrated_driver_and_current_sense3 "Res_0805" RES_0805 98,108.8 r180 top value=1k (schematic designator R5)
R5_U_integrated_driver_and_current_sense4 "Res_0805" RES_0805 118,108.8 r180 top value=1k (schematic designator R5)
R5_U_integrated_driver_and_current_sense5 "Res_0805" RES_0805 138,108.8 r180 top value=1k (schematic designator R5)
R6 "Res_0402" RES_0402 46.7,80.7 r180 top value=100R
R7 "Res_0402" RES_0402 49.3,80.7 r180 top value=100R
R8_U_integrated_driver_and_current_sense1 "CRE2512-FZ-R005E-3" CRE2512-R5_R9 65.8,125.5 r90 top value=0.005 (schematic designator R8)
R8_U_integrated_driver_and_current_sense2 "CRE2512-FZ-R005E-3" CRE2512-R5_R9 85.8,125.5 r90 top value=0.005 (schematic designator R8)
R8_U_integrated_driver_and_current_sense3 "CRE2512-FZ-R005E-3" CRE2512-R5_R9 105.8,125.5 r90 top value=0.005 (schematic designator R8)
R8_U_integrated_driver_and_current_sense4 "CRE2512-FZ-R005E-3" CRE2512-R5_R9 125.8,125.5 r90 top value=0.005 (schematic designator R8)
R8_U_integrated_driver_and_current_sense5 "CRE2512-FZ-R005E-3" CRE2512-R5_R9 145.8,125.5 r90 top value=0.005 (schematic designator R8)
R9 "Res_0402" RES_0402 151.4,99.7 r90 top value=200k
R10 "Res_0402" RES_0402 151.4,97.8 r90 top value=10k
R11 "Res_0402" RES_0402 151.8,183.925 r180 top value=3.61k
R12 "Res_0805" RES_0805 158.75,57.506 r90 top value=1K
R13 "Res_0805" RES_0805 153.67,57.506 r90 top value=1K
R14 "Res_0402" RES_0402 48.1,71.9 r90 top value=30
R15 "Res_0402" RES_0402 49.1,71.9 r90 top value=30
R16 "Res_0805" RES_0805 152.6,86.2 r90 top value=100
R17 "Res_0805" RES_0805 155.8,86.2 r90 top value=100
R18 "Res_0805" RES_0805 154.2,86.2 r90 top value=100
R19 "Res_0805" RES_0805 152.6,83.4 r90 top value=100
R20 "Res_0805" RES_0805 155.8,83.4 r90 top value=100
R21 "Res_0805" RES_0805 154.2,83.4 r90 top value=100
R22_U_integrated_driver_and_current_sense1 "CRE2512-FZ-R005E-3" CRE2512-R5_R9 55.2,125.5 r90 top value=0.005 (schematic designator R22)
R22_U_integrated_driver_and_current_sense2 "CRE2512-FZ-R005E-3" CRE2512-R5_R9 75.2,125.5 r90 top value=0.005 (schematic designator R22)
R22_U_integrated_driver_and_current_sense3 "CRE2512-FZ-R005E-3" CRE2512-R5_R9 95.2,125.5 r90 top value=0.005 (schematic designator R22)
R22_U_integrated_driver_and_current_sense4 "CRE2512-FZ-R005E-3" CRE2512-R5_R9 115.2,125.5 r90 top value=0.005 (schematic designator R22)
R22_U_integrated_driver_and_current_sense5 "CRE2512-FZ-R005E-3" CRE2512-R5_R9 135.2,125.5 r90 top value=0.005 (schematic designator R22)
R23_U_integrated_driver_and_current_sense1 "CRCW04020000Z0ED" RES_0402 69.2,97.4 r90 top value=0 (schematic designator R23)
R23_U_integrated_driver_and_current_sense2 "CRCW04020000Z0ED" RES_0402 89.2,97.4 r90 top value=0 (schematic designator R23)
R23_U_integrated_driver_and_current_sense3 "CRCW04020000Z0ED" RES_0402 109.2,97.4 r90 top value=0 (schematic designator R23)
R23_U_integrated_driver_and_current_sense4 "CRCW04020000Z0ED" RES_0402 129.2,97.4 r90 top value=0 (schematic designator R23)
R23_U_integrated_driver_and_current_sense5 "CRCW04020000Z0ED" RES_0402 149.2,97.4 r90 top value=0 (schematic designator R23)
R24_U_integrated_driver_and_current_sense1 "Res_0402" RES_0402 67.3,89.4 r90 top value=30 (schematic designator R24)
R24_U_integrated_driver_and_current_sense2 "Res_0402" RES_0402 87.3,89.4 r90 top value=30 (schematic designator R24)
R24_U_integrated_driver_and_current_sense3 "Res_0402" RES_0402 107.3,89.4 r90 top value=30 (schematic designator R24)
R24_U_integrated_driver_and_current_sense4 "Res_0402" RES_0402 127.3,89.4 r90 top value=30 (schematic designator R24)
R24_U_integrated_driver_and_current_sense5 "Res_0402" RES_0402 147.3,89.4 r90 top value=30 (schematic designator R24)
R25_U_integrated_driver_and_current_sense1 "CRCW04020000Z0ED" RES_0402 54.6,97.4 r90 top value=0 (schematic designator R25)
R25_U_integrated_driver_and_current_sense2 "CRCW04020000Z0ED" RES_0402 74.6,97.4 r90 top value=0 (schematic designator R25)
R25_U_integrated_driver_and_current_sense3 "CRCW04020000Z0ED" RES_0402 94.6,97.4 r90 top value=0 (schematic designator R25)
R25_U_integrated_driver_and_current_sense4 "CRCW04020000Z0ED" RES_0402 114.6,97.4 r90 top value=0 (schematic designator R25)
R25_U_integrated_driver_and_current_sense5 "CRCW04020000Z0ED" RES_0402 134.6,97.4 r90 top value=0 (schematic designator R25)
R26_U_integrated_driver_and_current_sense1 "Res_0402" RES_0402 52.7,89.4 r90 top value=30 (schematic designator R26)
R26_U_integrated_driver_and_current_sense2 "Res_0402" RES_0402 72.7,89.4 r90 top value=30 (schematic designator R26)
R26_U_integrated_driver_and_current_sense3 "Res_0402" RES_0402 92.7,89.4 r90 top value=30 (schematic designator R26)
R26_U_integrated_driver_and_current_sense4 "Res_0402" RES_0402 112.7,89.4 r90 top value=30 (schematic designator R26)
R26_U_integrated_driver_and_current_sense5 "Res_0402" RES_0402 132.7,89.4 r90 top value=30 (schematic designator R26)
R27_U_integrated_driver_and_current_sense1 "Res_0402" RES_0402 62,99.292 r90 top value=680 (schematic designator R27)
R27_U_integrated_driver_and_current_sense2 "Res_0402" RES_0402 82,99.292 r90 top value=680 (schematic designator R27)
R27_U_integrated_driver_and_current_sense3 "Res_0402" RES_0402 102,99.292 r90 top value=680 (schematic designator R27)
R27_U_integrated_driver_and_current_sense4 "Res_0402" RES_0402 122,99.292 r90 top value=680 (schematic designator R27)
R27_U_integrated_driver_and_current_sense5 "Res_0402" RES_0402 142,99.292 r90 top value=680 (schematic designator R27)
R28_U_integrated_driver_and_current_sense1 "Res_0402" RES_0402 59,99.292 r90 top value=680 (schematic designator R28)
R28_U_integrated_driver_and_current_sense2 "Res_0402" RES_0402 79,99.292 r90 top value=680 (schematic designator R28)
R28_U_integrated_driver_and_current_sense3 "Res_0402" RES_0402 99,99.292 r90 top value=680 (schematic designator R28)
R28_U_integrated_driver_and_current_sense4 "Res_0402" RES_0402 119,99.292 r90 top value=680 (schematic designator R28)
R28_U_integrated_driver_and_current_sense5 "Res_0402" RES_0402 139,99.292 r90 top value=680 (schematic designator R28)
R29 "Res_0402" RES_0402 165.655,115.465 r270 top value=30k
R30 "Res_0402" RES_0402 165.655,136.965 r270 top value=6.7k
R31 "Res_0402" RES_0402 165.655,104.973 r270 top value=1.6k
R32 "Res_0402" RES_0402 165.655,101.965 r270 top value=200